# Altium PCB LightLinkV2.2.PcbDoc
Units mil, origin at the board's own origin, x right, y up, seen from the top; angles counter-clockwise.
Board outline 5300 x 4700 mil, 4 copper layers (Top Layer, PWR Plane, GND Plane, Bottom Layer), stack 23.756 mil thick; 118 components, 0 nets, 510 pads, 0 vias.
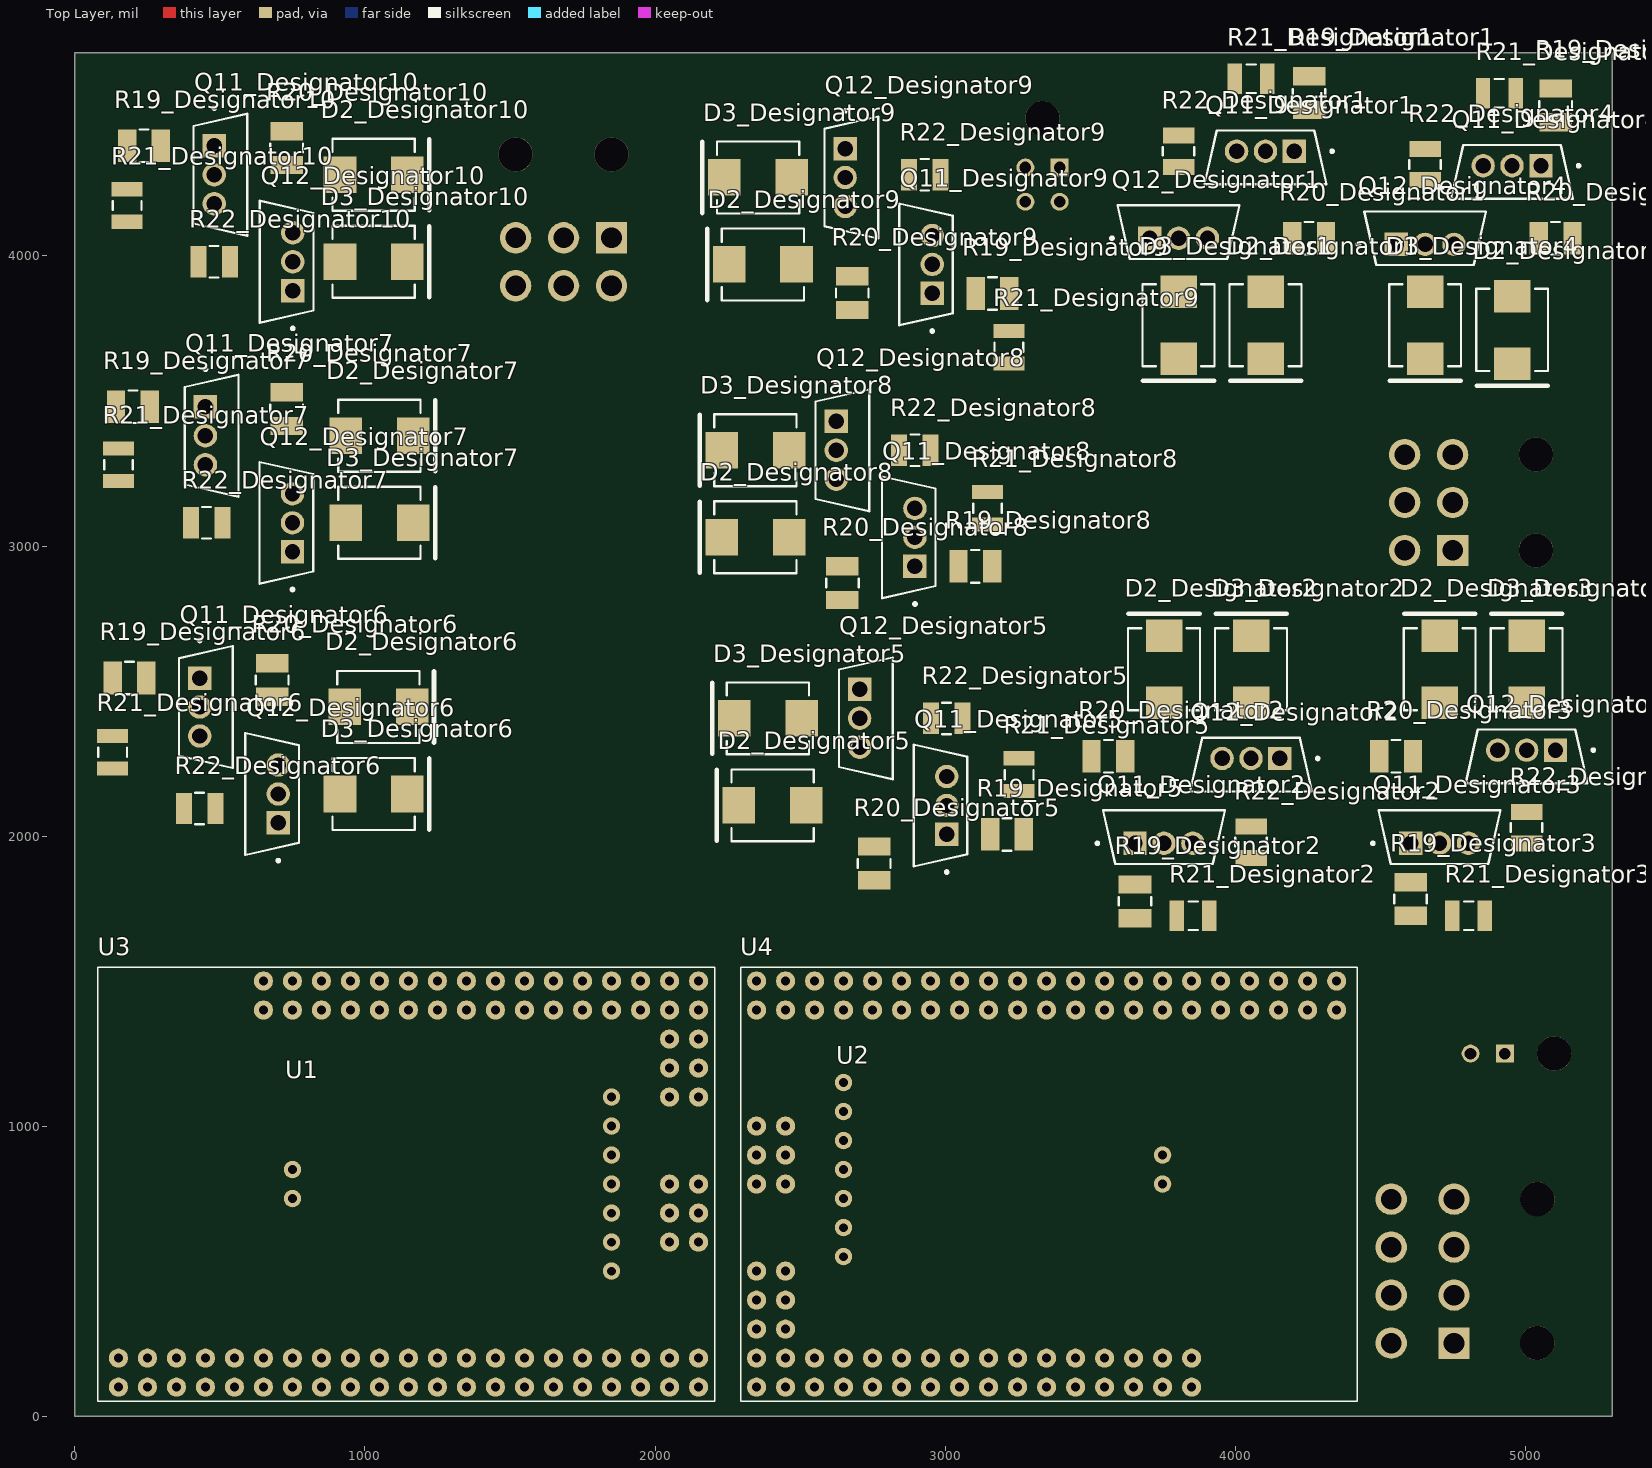
[diagram p0: Top Layer view]
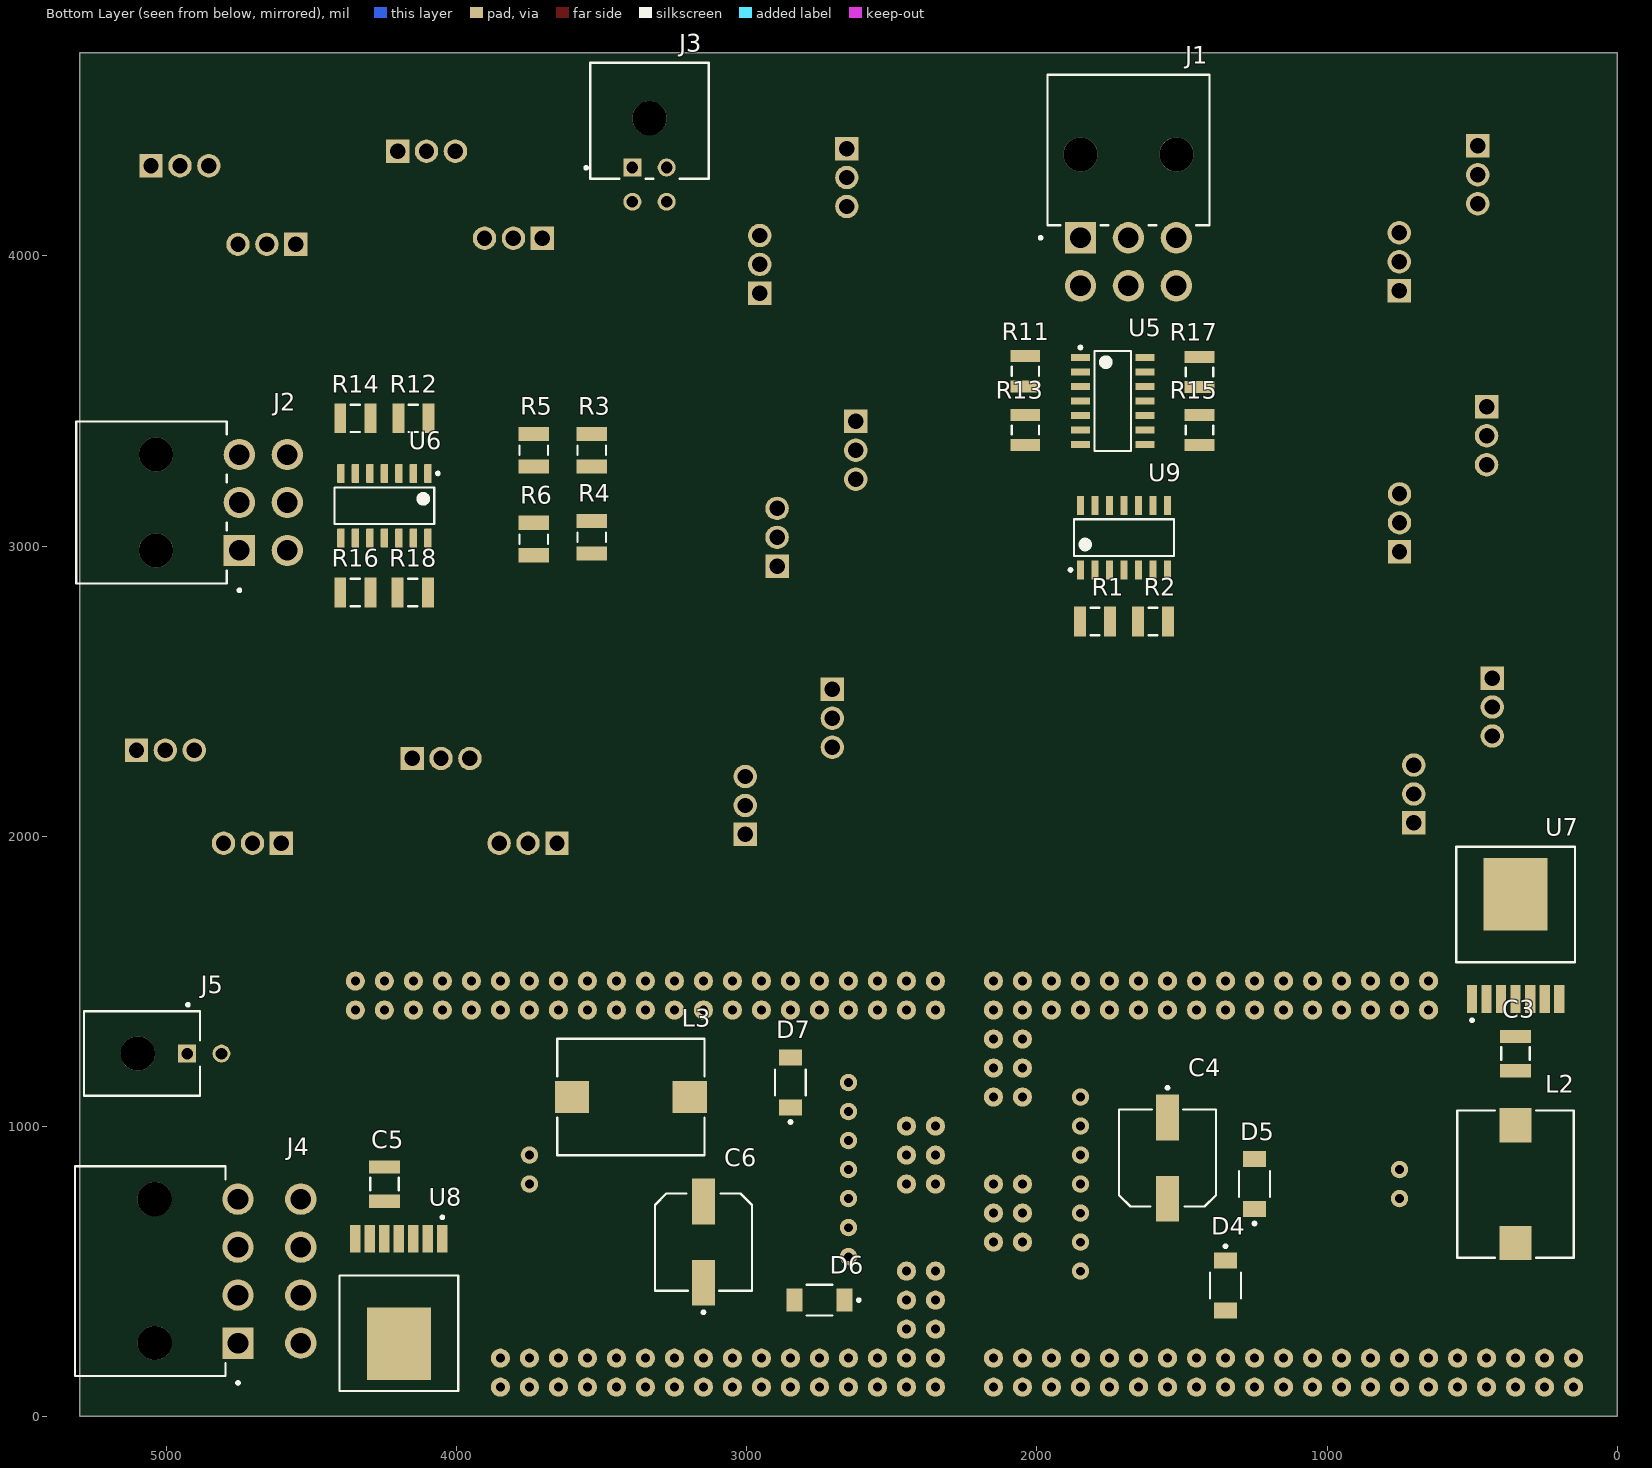
[diagram p1: Bottom Layer view, seen from below]
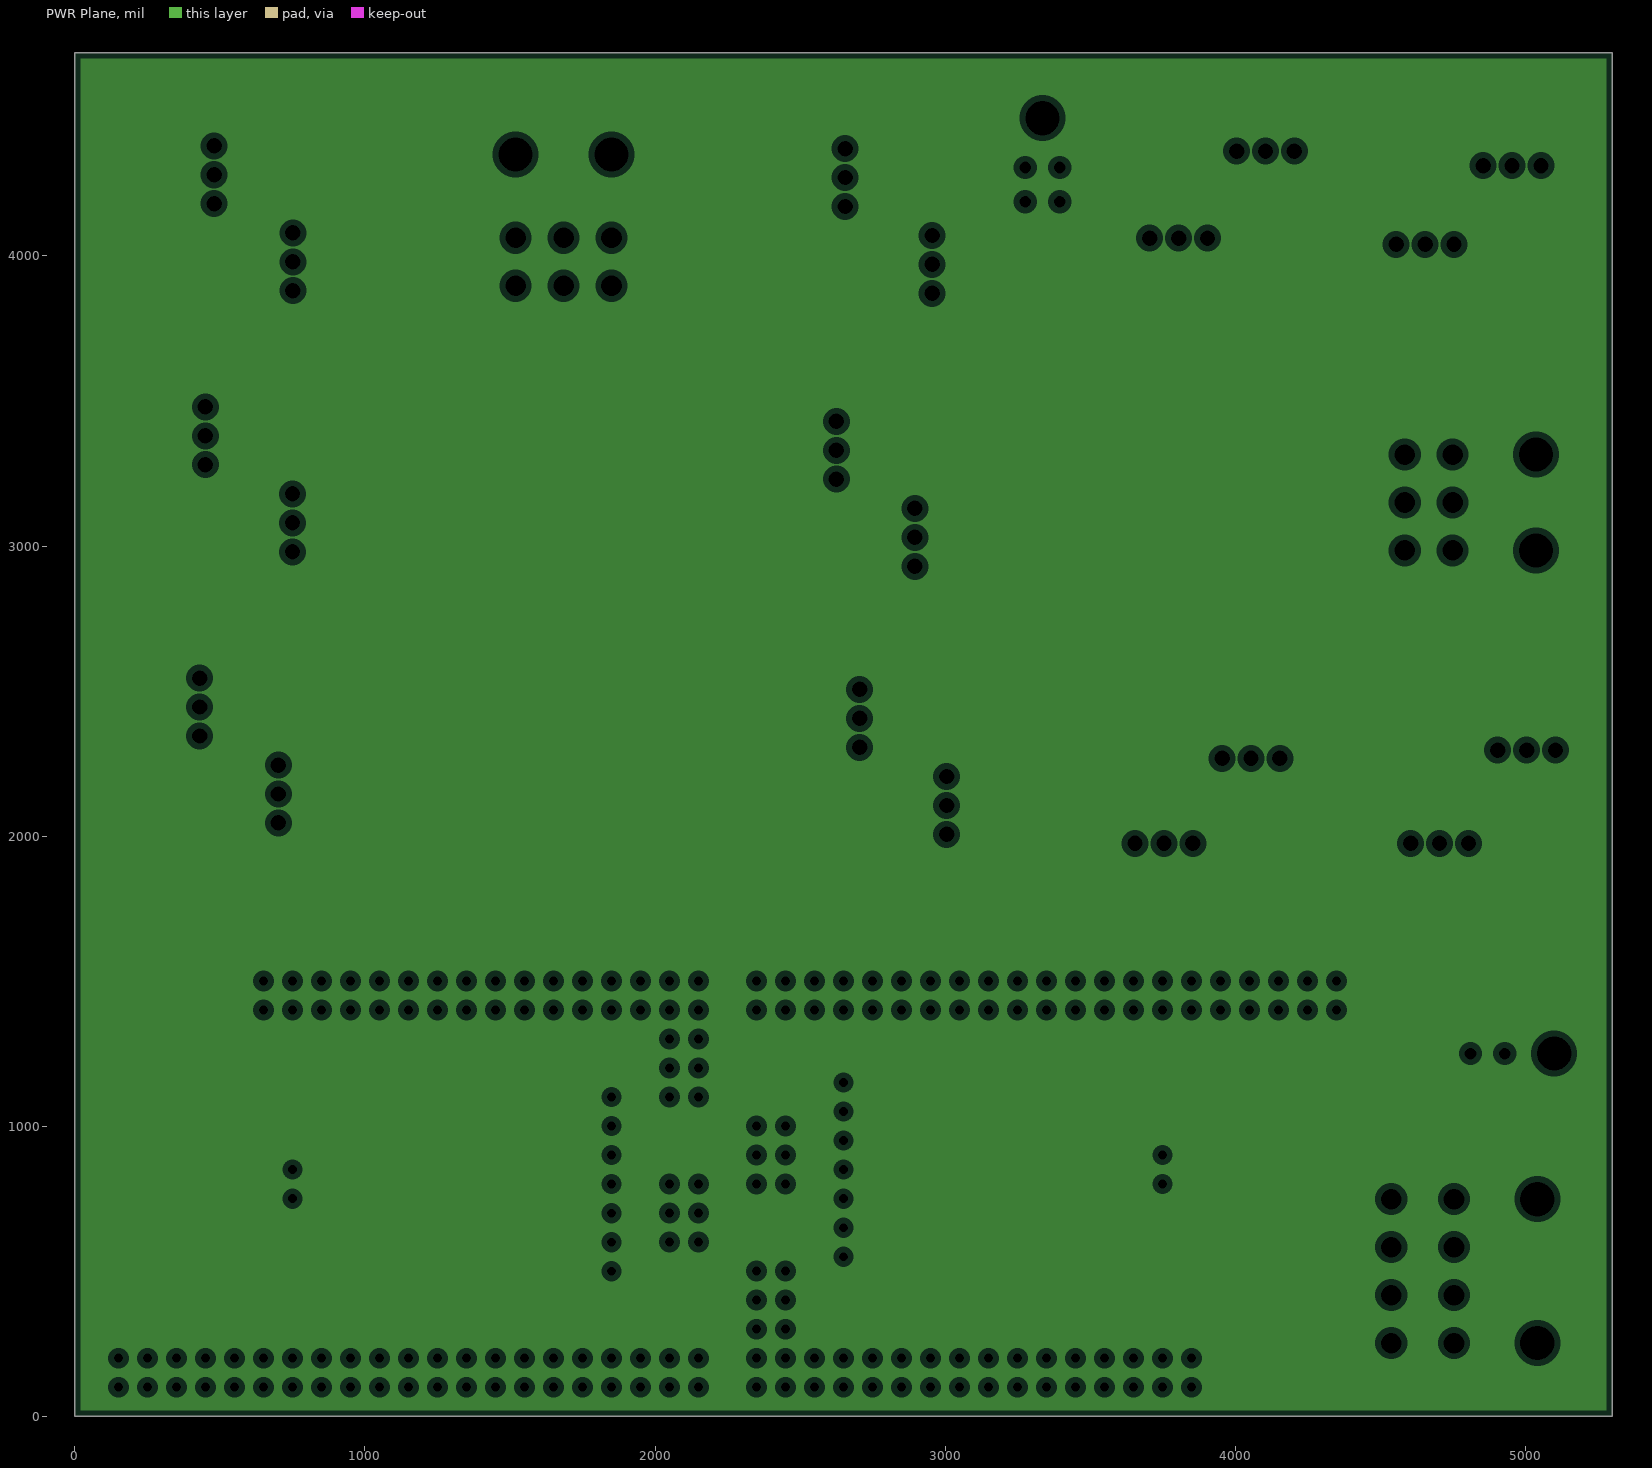
[diagram p2: PWR Plane, clearances drawn from the general rule]
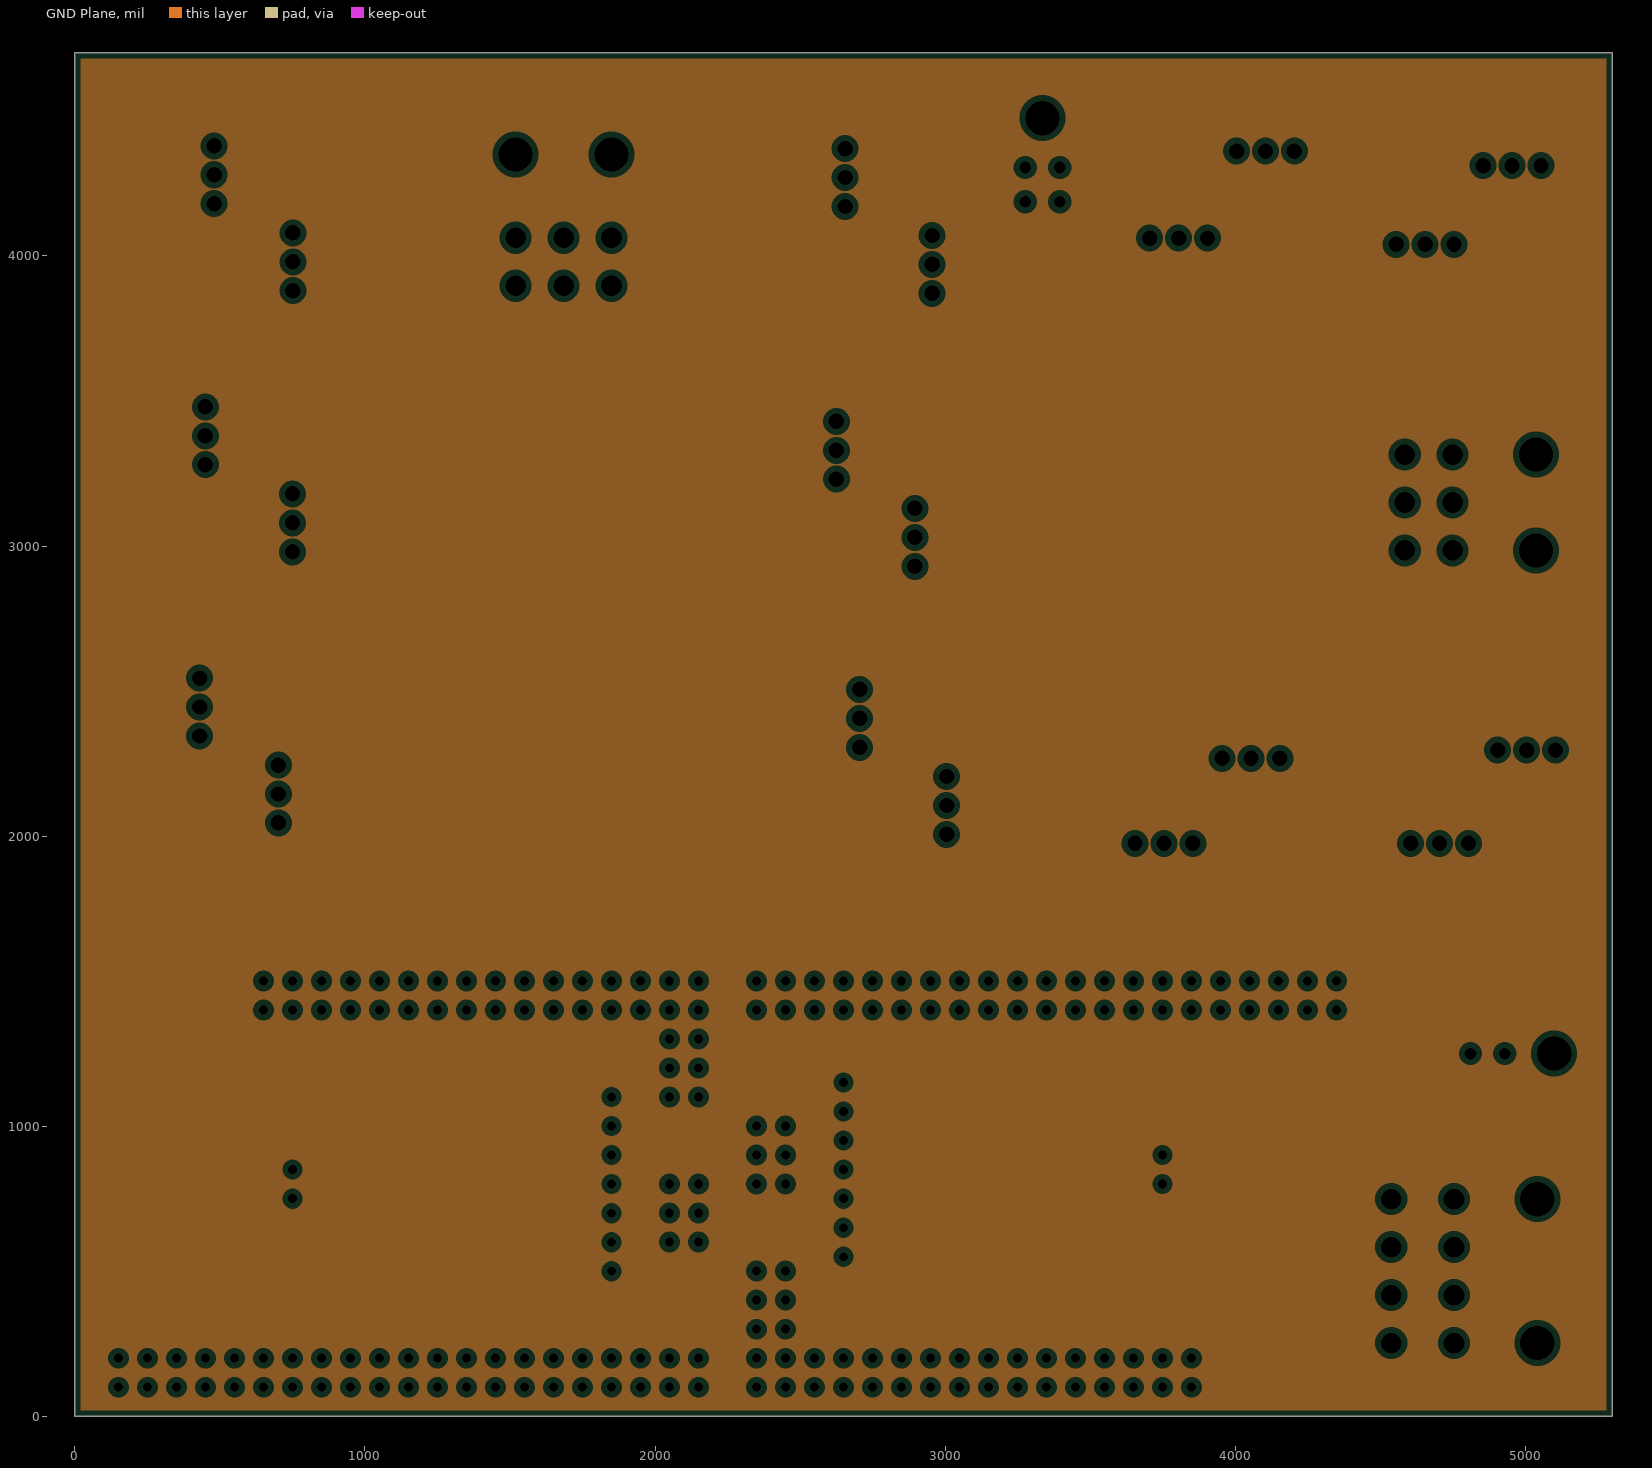
[diagram p3: GND Plane, clearances drawn from the general rule]

## Layer stack, top to bottom
Top Solder: solder mask 0.4, Solder Resist, Dk 3.5
Top Layer: signal copper 1.4
Dielectric 2: prepreg 2.8, PP-006, Dk 4.1
PWR Plane: plane copper 1.378
Dielectric 1: dielectric 12.6, FR-4, Dk 4.8
GND Plane: plane copper 1.378
Dielectric 3: prepreg 2.8, PP-006, Dk 4.1
Bottom Layer: signal copper 1.4
Bottom Solder: solder mask 0.4, Solder Resist, Dk 3.5

## Board outline
0,0 5300,0 5300,4700 0,4700

## Design rules (kind name [scope] priority, off if disabled: settings)
Clearance [All] p1: gap=10 ignorepadtopadclearanceinfootprint=FALSE except(0: Arc-Hole Track-Hole SMDPad-Hole THPad-Hole Via-Hole Fill-Hole Poly-Hole Region-Hole Text-Hole)
PlaneClearance [All] p1: clearance=20
PlaneConnect [All] p1: planeconnectstyle=Relief reliefexpansion=20 reliefentries=4 reliefconductorwidth=10 reliefairgap=10
PolygonConnect [All] p1: connectstyle=Relief reliefconductorwidth=10 reliefentries=4 polygonreliefangle="90 Angle" airgapwidth=10
RoutingVias [All] p1: holewidth=28 width=50 viastyle="Through Hole" minholewidth=28 minwidth=50 maxholewidth=28 maxwidth=50
SolderMaskExpansion [All] p1: expansion=4 istentingtop=FALSE
Width [All] p1: maxlimit=10 minlimit=10 preferedwidth=10
28 further rules are at their usual default settings.

## Components (designator, comment, footprint, x,y, rotation, side; value= is the part's Value field where it differs from the comment)
C3 "CAP 10nF 250V 1210(3225)" CAPC1210(3225)100_N 350,1250 r270 bottom value=10nF
C4 "EEEFT1H221AP" FP-FTF-MFG 1550,889.76 r270 bottom
C5 "CAP 10nF 250V 1210(3225)" CAPC1210(3225)100_N 4250,800 r90 bottom value=10nF
C6 "EEEFT1H221AP" FP-FTF-MFG 3150,600 r90 bottom
D2_Designator1 "B560C-13-F" DIOD-B5X0C-2_M 4105,3761.14 r90 top (schematic designator D2)
D2_Designator2 "B560C-13-F" DIOD-B5X0C-2_M 3755,2575 r270 top (schematic designator D2)
D2_Designator3 "B560C-13-F" DIOD-B5X0C-2_M 4705,2575 r270 top (schematic designator D2)
D2_Designator4 "B560C-13-F" DIOD-B5X0C-2_M 4955,3745 r90 top (schematic designator D2)
D2_Designator5 "B560C-13-F" DIOD-B5X0C-2_M 2405.5,2105.64 r0 top (schematic designator D2)
D2_Designator6 "B560C-13-F" DIOD-B5X0C-2_M 1046.14,2445 r180 top (schematic designator D2)
D2_Designator7 "B560C-13-F" DIOD-B5X0C-2_M 1050,3380 r180 top (schematic designator D2)
D2_Designator8 "B560C-13-F" DIOD-B5X0C-2_M 2346.14,3030 r0 top (schematic designator D2)
D2_Designator9 "B560C-13-F" DIOD-B5X0C-2_M 2371.64,3970.64 r0 top (schematic designator D2)
D2_Designator10 "B560C-13-F" DIOD-B5X0C-2_M 1030,4280 r180 top (schematic designator D2)
D3_Designator1 "B560C-13-F" DIOD-B5X0C-2_M 3805,3761.14 r90 top (schematic designator D3)
D3_Designator2 "B560C-13-F" DIOD-B5X0C-2_M 4055,2575 r270 top (schematic designator D3)
D3_Designator3 "B560C-13-F" DIOD-B5X0C-2_M 5005,2575 r270 top (schematic designator D3)
D3_Designator4 "B560C-13-F" DIOD-B5X0C-2_M 4655,3761.14 r90 top (schematic designator D3)
D3_Designator5 "B560C-13-F" DIOD-B5X0C-2_M 2389.36,2405.64 r0 top (schematic designator D3)
D3_Designator6 "B560C-13-F" DIOD-B5X0C-2_M 1030,2145 r180 top (schematic designator D3)
D3_Designator7 "B560C-13-F" DIOD-B5X0C-2_M 1050,3080 r180 top (schematic designator D3)
D3_Designator8 "B560C-13-F" DIOD-B5X0C-2_M 2346.14,3330 r0 top (schematic designator D3)
D3_Designator9 "B560C-13-F" DIOD-B5X0C-2_M 2355.5,4270.64 r0 top (schematic designator D3)
D3_Designator10 "B560C-13-F" DIOD-B5X0C-2_M 1030,3980 r180 top (schematic designator D3)
D4 "RSX501LAM20TR" FP-PMDTM-MFG 1350,450 r270 bottom
D5 "RSX501LAM20TR" FP-PMDTM-MFG 1250,800 r90 bottom
D6 "RSX501LAM20TR" FP-PMDTM-MFG 2750,400 r0 bottom
D7 "RSX501LAM20TR" FP-PMDTM-MFG 2850,1150 r90 bottom
J1 "455580003" FP-455580003-MFG 1684.65,4357.87 r180 bottom
J2 "455580003" FP-455580003-MFG 5045.28,3150 r90 bottom
J3 "43045-0400" FP-43045-0400-MFG 3335.94,4461.1 r0 bottom
J4 "39-30-0080" FP-39-30-0080-MFG 5050,500 r270 bottom
J5 "43045-0202" FP-43045-0202-MFG 5086.02,1250 r270 bottom
L2 "74456047" WE-PD4-L 350,800 r270 bottom
L3 "74456047" WE-PD4-L 3400,1100 r180 bottom
Q11_Designator1 "FQP30N06" FP-340AT-MFG 4104.8,4339.88 r270 top (schematic designator Q11)
Q11_Designator2 "FQP30N06" FP-340AT-MFG 3754.8,1996.26 r90 top (schematic designator Q11)
Q11_Designator3 "FQP30N06" FP-340AT-MFG 4704.8,1996.26 r90 top (schematic designator Q11)
Q11_Designator4 "FQP30N06" FP-340AT-MFG 4954.8,4289.88 r270 top (schematic designator Q11)
Q11_Designator5 "FQP30N06" FP-340AT-MFG 2984.24,2105.44 r180 top (schematic designator Q11)
Q11_Designator6 "FQP30N06" FP-340AT-MFG 451.26,2444.8 r0 top (schematic designator Q11)
Q11_Designator7 "FQP30N06" FP-340AT-MFG 471.26,3380 r0 top (schematic designator Q11)
Q11_Designator8 "FQP30N06" FP-340AT-MFG 2874.88,3029.8 r180 top (schematic designator Q11)
Q11_Designator9 "FQP30N06" FP-340AT-MFG 2934.24,3970.84 r180 top (schematic designator Q11)
Q11_Designator10 "FQP30N06" FP-340AT-MFG 501.26,4280 r0 top (schematic designator Q11)
Q12_Designator1 "FQP30N06" FP-340AT-MFG 3805,4082.4 r90 top (schematic designator Q12)
Q12_Designator2 "FQP30N06" FP-340AT-MFG 4054.8,2246.26 r270 top (schematic designator Q12)
Q12_Designator3 "FQP30N06" FP-340AT-MFG 5005,2275 r270 top (schematic designator Q12)
Q12_Designator4 "FQP30N06" FP-340AT-MFG 4655,4061.14 r90 top (schematic designator Q12)
Q12_Designator5 "FQP30N06" FP-340AT-MFG 2726.76,2405.84 r0 top (schematic designator Q12)
Q12_Designator6 "FQP30N06" FP-340AT-MFG 680,2145 r180 top (schematic designator Q12)
Q12_Designator7 "FQP30N06" FP-340AT-MFG 728.74,3079.8 r180 top (schematic designator Q12)
Q12_Designator8 "FQP30N06" FP-340AT-MFG 2646.14,3330 r0 top (schematic designator Q12)
Q12_Designator9 "FQP30N06" FP-340AT-MFG 2676.76,4270.44 r0 top (schematic designator Q12)
Q12_Designator10 "FQP30N06" FP-340AT-MFG 730,3980 r180 top (schematic designator Q12)
R1 "ERJ14BQFR68U" RESC3225X70X50LL20T20 1800,2740 r0 bottom
R2 "ERJ14BQFR68U" RESC3225X70X50LL20T20 1600,2740 r180 bottom
R3 "ERJ-14NF1001U" RESC3225X70X50NL20T20 3535,3330 r270 bottom
R4 "ERJ-14YJ302U" RESC3225X70X50NL20T20 3535,3030 r270 bottom
R5 "ERJ-14NF1001U" RESC3225X70X50NL20T20 3735,3330 r270 bottom
R6 "ERJ-14YJ302U" RESC3225X70X50NL20T20 3735,3023.9 r270 bottom
R11 "ERJ14BQFR68U" RESC3225X70X50LL20T20 2040,3602.17 r90 bottom
R12 "ERJ14BQFR68U" RESC3225X70X50LL20T20 4150,3440 r180 bottom
R13 "ERJ14BQFR68U" RESC3225X70X50LL20T20 2040,3400 r270 bottom
R14 "ERJ14BQFR68U" RESC3225X70X50LL20T20 4350,3440 r0 bottom
R15 "ERJ14BQFR68U" RESC3225X70X50LL20T20 1440,3400 r270 bottom
R16 "ERJ14BQFR68U" RESC3225X70X50LL20T20 4350,2840 r0 bottom
R17 "ERJ14BQFR68U" RESC3225X70X50LL20T20 1440,3600 r90 bottom
R18 "ERJ14BQFR68U" RESC3225X70X50LL20T20 4152.17,2840 r180 bottom
R19_Designator1 "RMCF1210FT1K00" FP-RMCF1210-IPC_A 4255,4561.14 r270 top (schematic designator R19)
R19_Designator2 "RMCF1210FT1K00" FP-RMCF1210-IPC_A 3655,1775 r90 top (schematic designator R19)
R19_Designator3 "RMCF1210FT1K00" FP-RMCF1210-IPC_A 4605,1783.09 r90 top (schematic designator R19)
R19_Designator4 "RMCF1210FT1K00" FP-RMCF1210-IPC_A 5105,4519.24 r270 top (schematic designator R19)
R19_Designator5 "RMCF1210FT1K00" FP-RMCF1210-IPC_A 3213.59,2005.64 r180 top (schematic designator R19)
R19_Designator6 "RMCF1210FT1K00" FP-RMCF1210-IPC_A 188.09,2545 r0 top (schematic designator R19)
R19_Designator7 "RMCF1210FT1K00" FP-RMCF1210-IPC_A 200,3480 r0 top (schematic designator R19)
R19_Designator8 "RMCF1210FT1K00" FP-RMCF1210-IPC_A 3104.24,2930 r180 top (schematic designator R19)
R19_Designator9 "RMCF1210FT1K00" FP-RMCF1210-IPC_A 3163.59,3870.64 r180 top (schematic designator R19)
R19_Designator10 "RMCF1210FT1K00" FP-RMCF1210-IPC_A 238.09,4380 r0 top (schematic designator R19)
R20_Designator1 "RMCF1210JT3R00" FP-RMCF1210-IPC_A 4255,4061.14 r0 top (schematic designator R20)
R20_Designator2 "RMCF1210JT3R00" FP-RMCF1210-IPC_A 3563.09,2275 r180 top (schematic designator R20)